# KiCad board FPGA_DevBoard.kicad_pcb
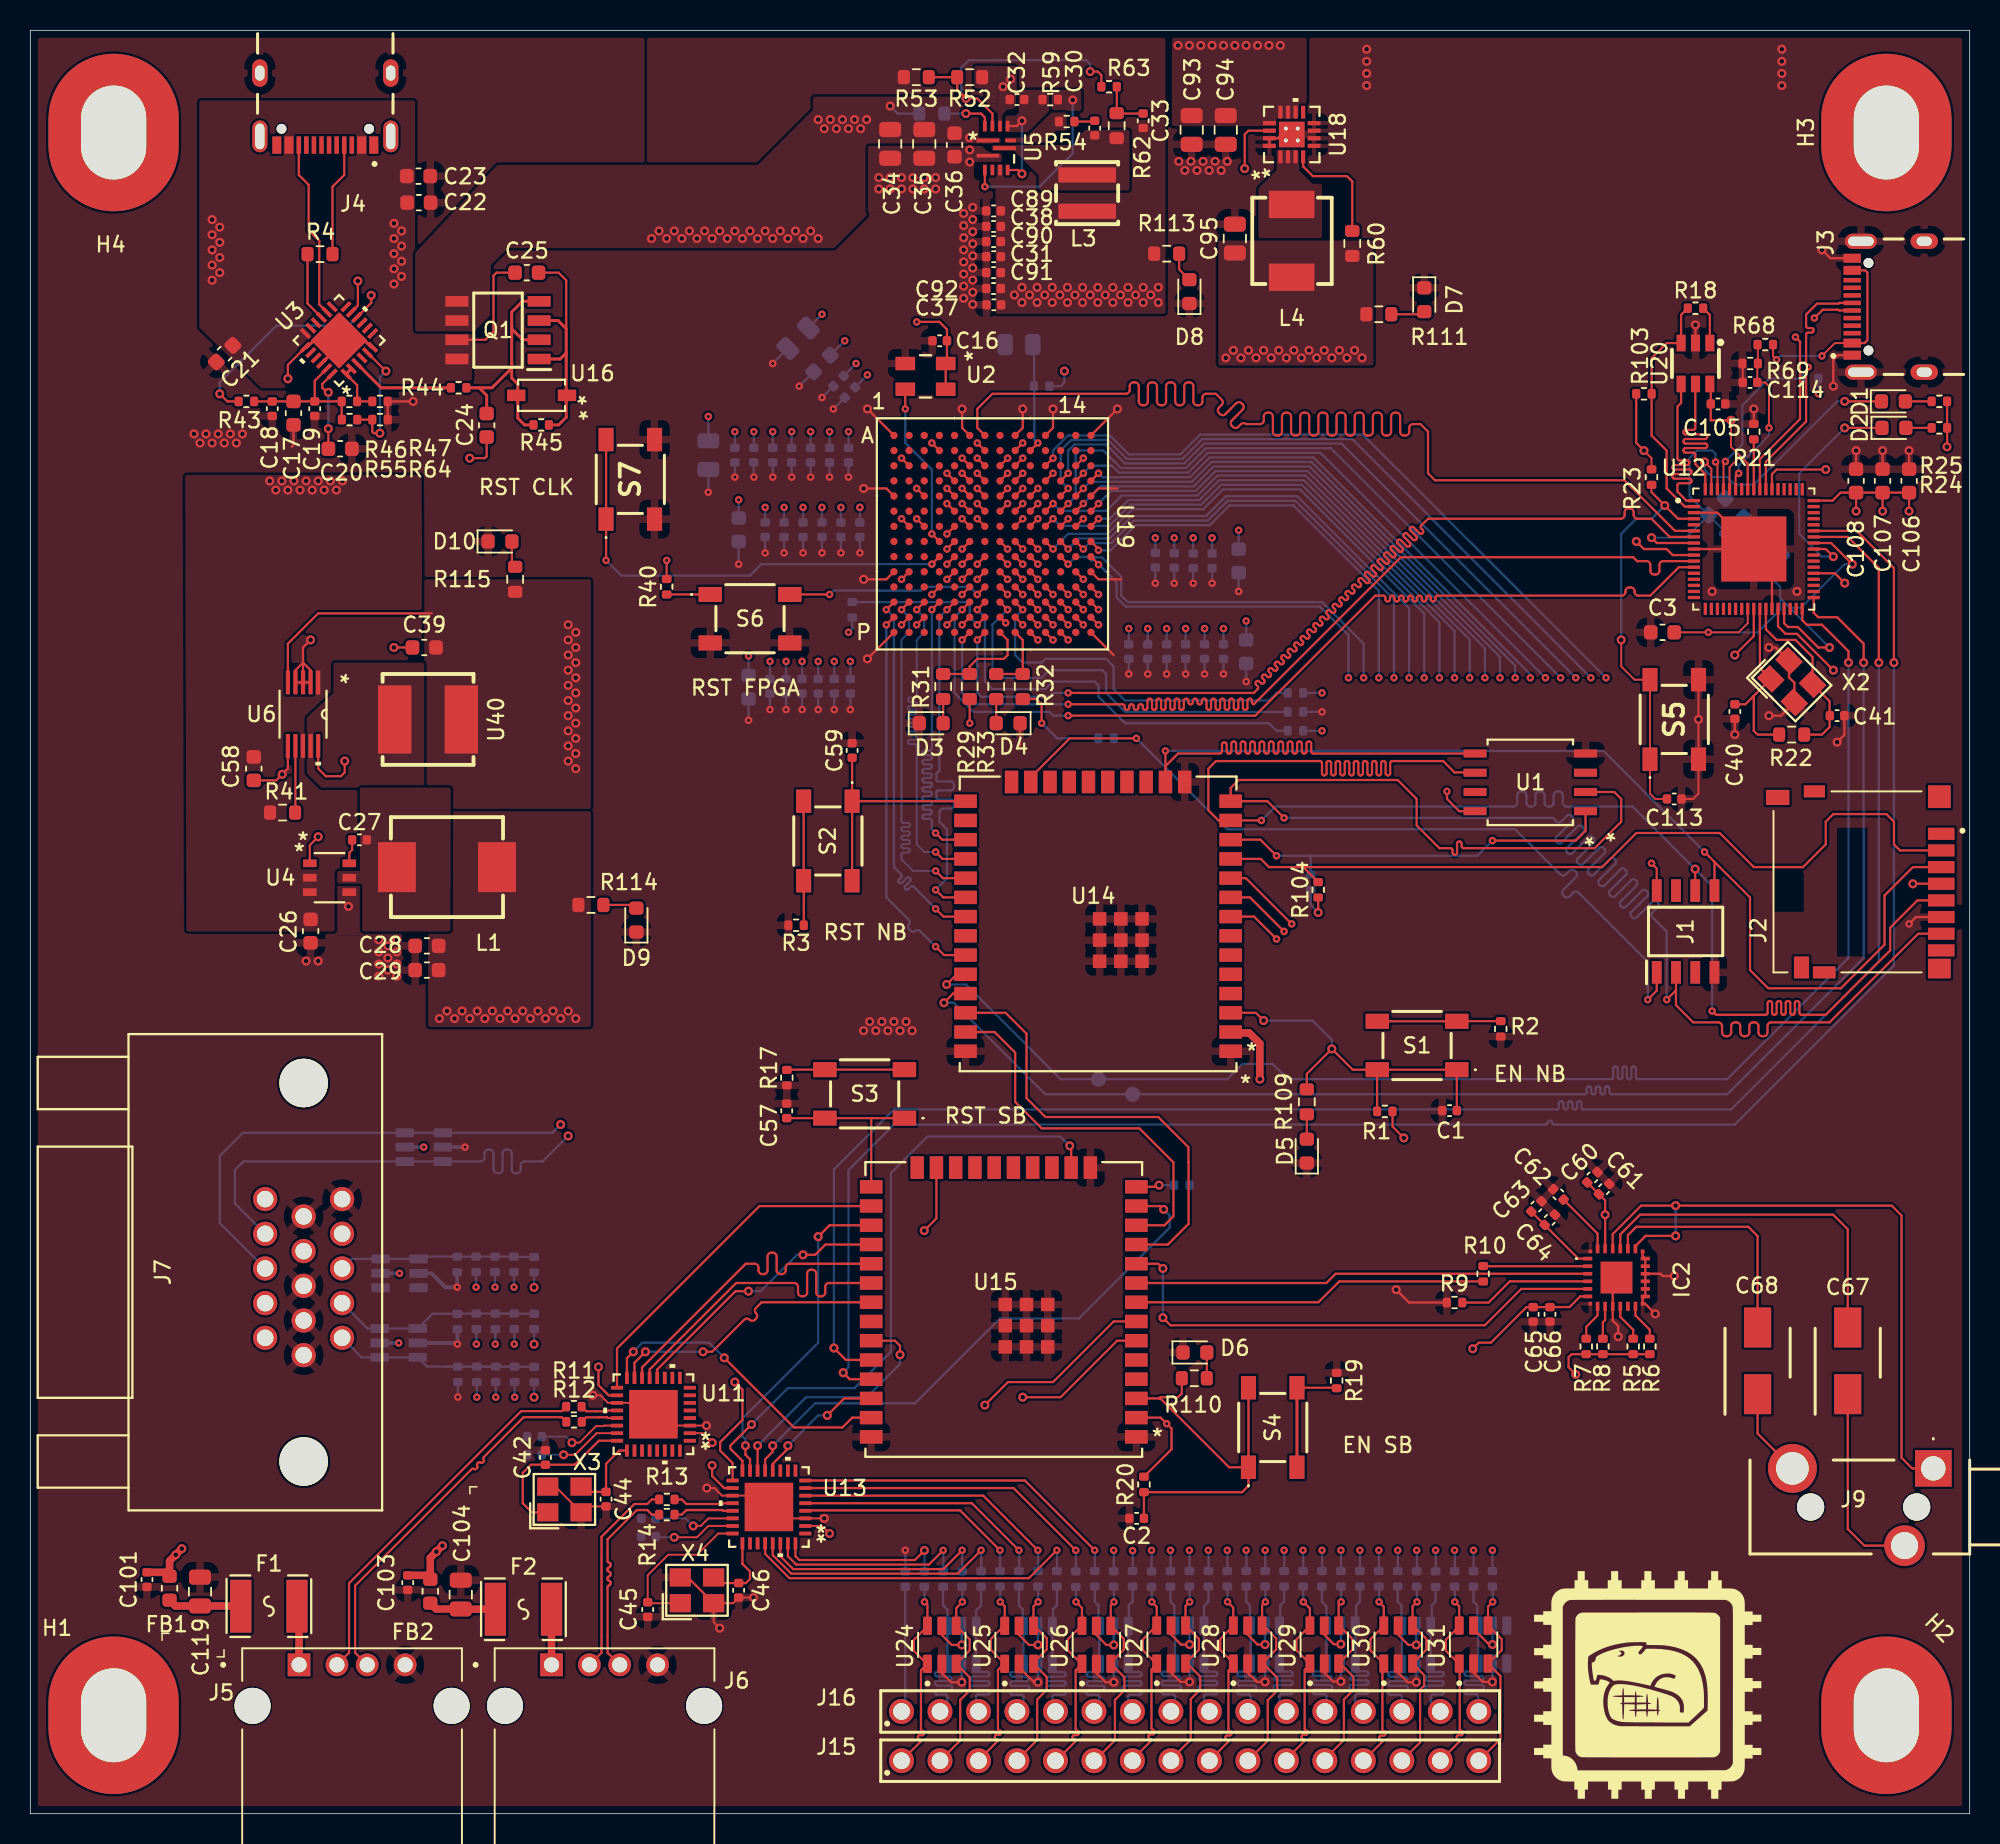
[diagram p0: board, top side]
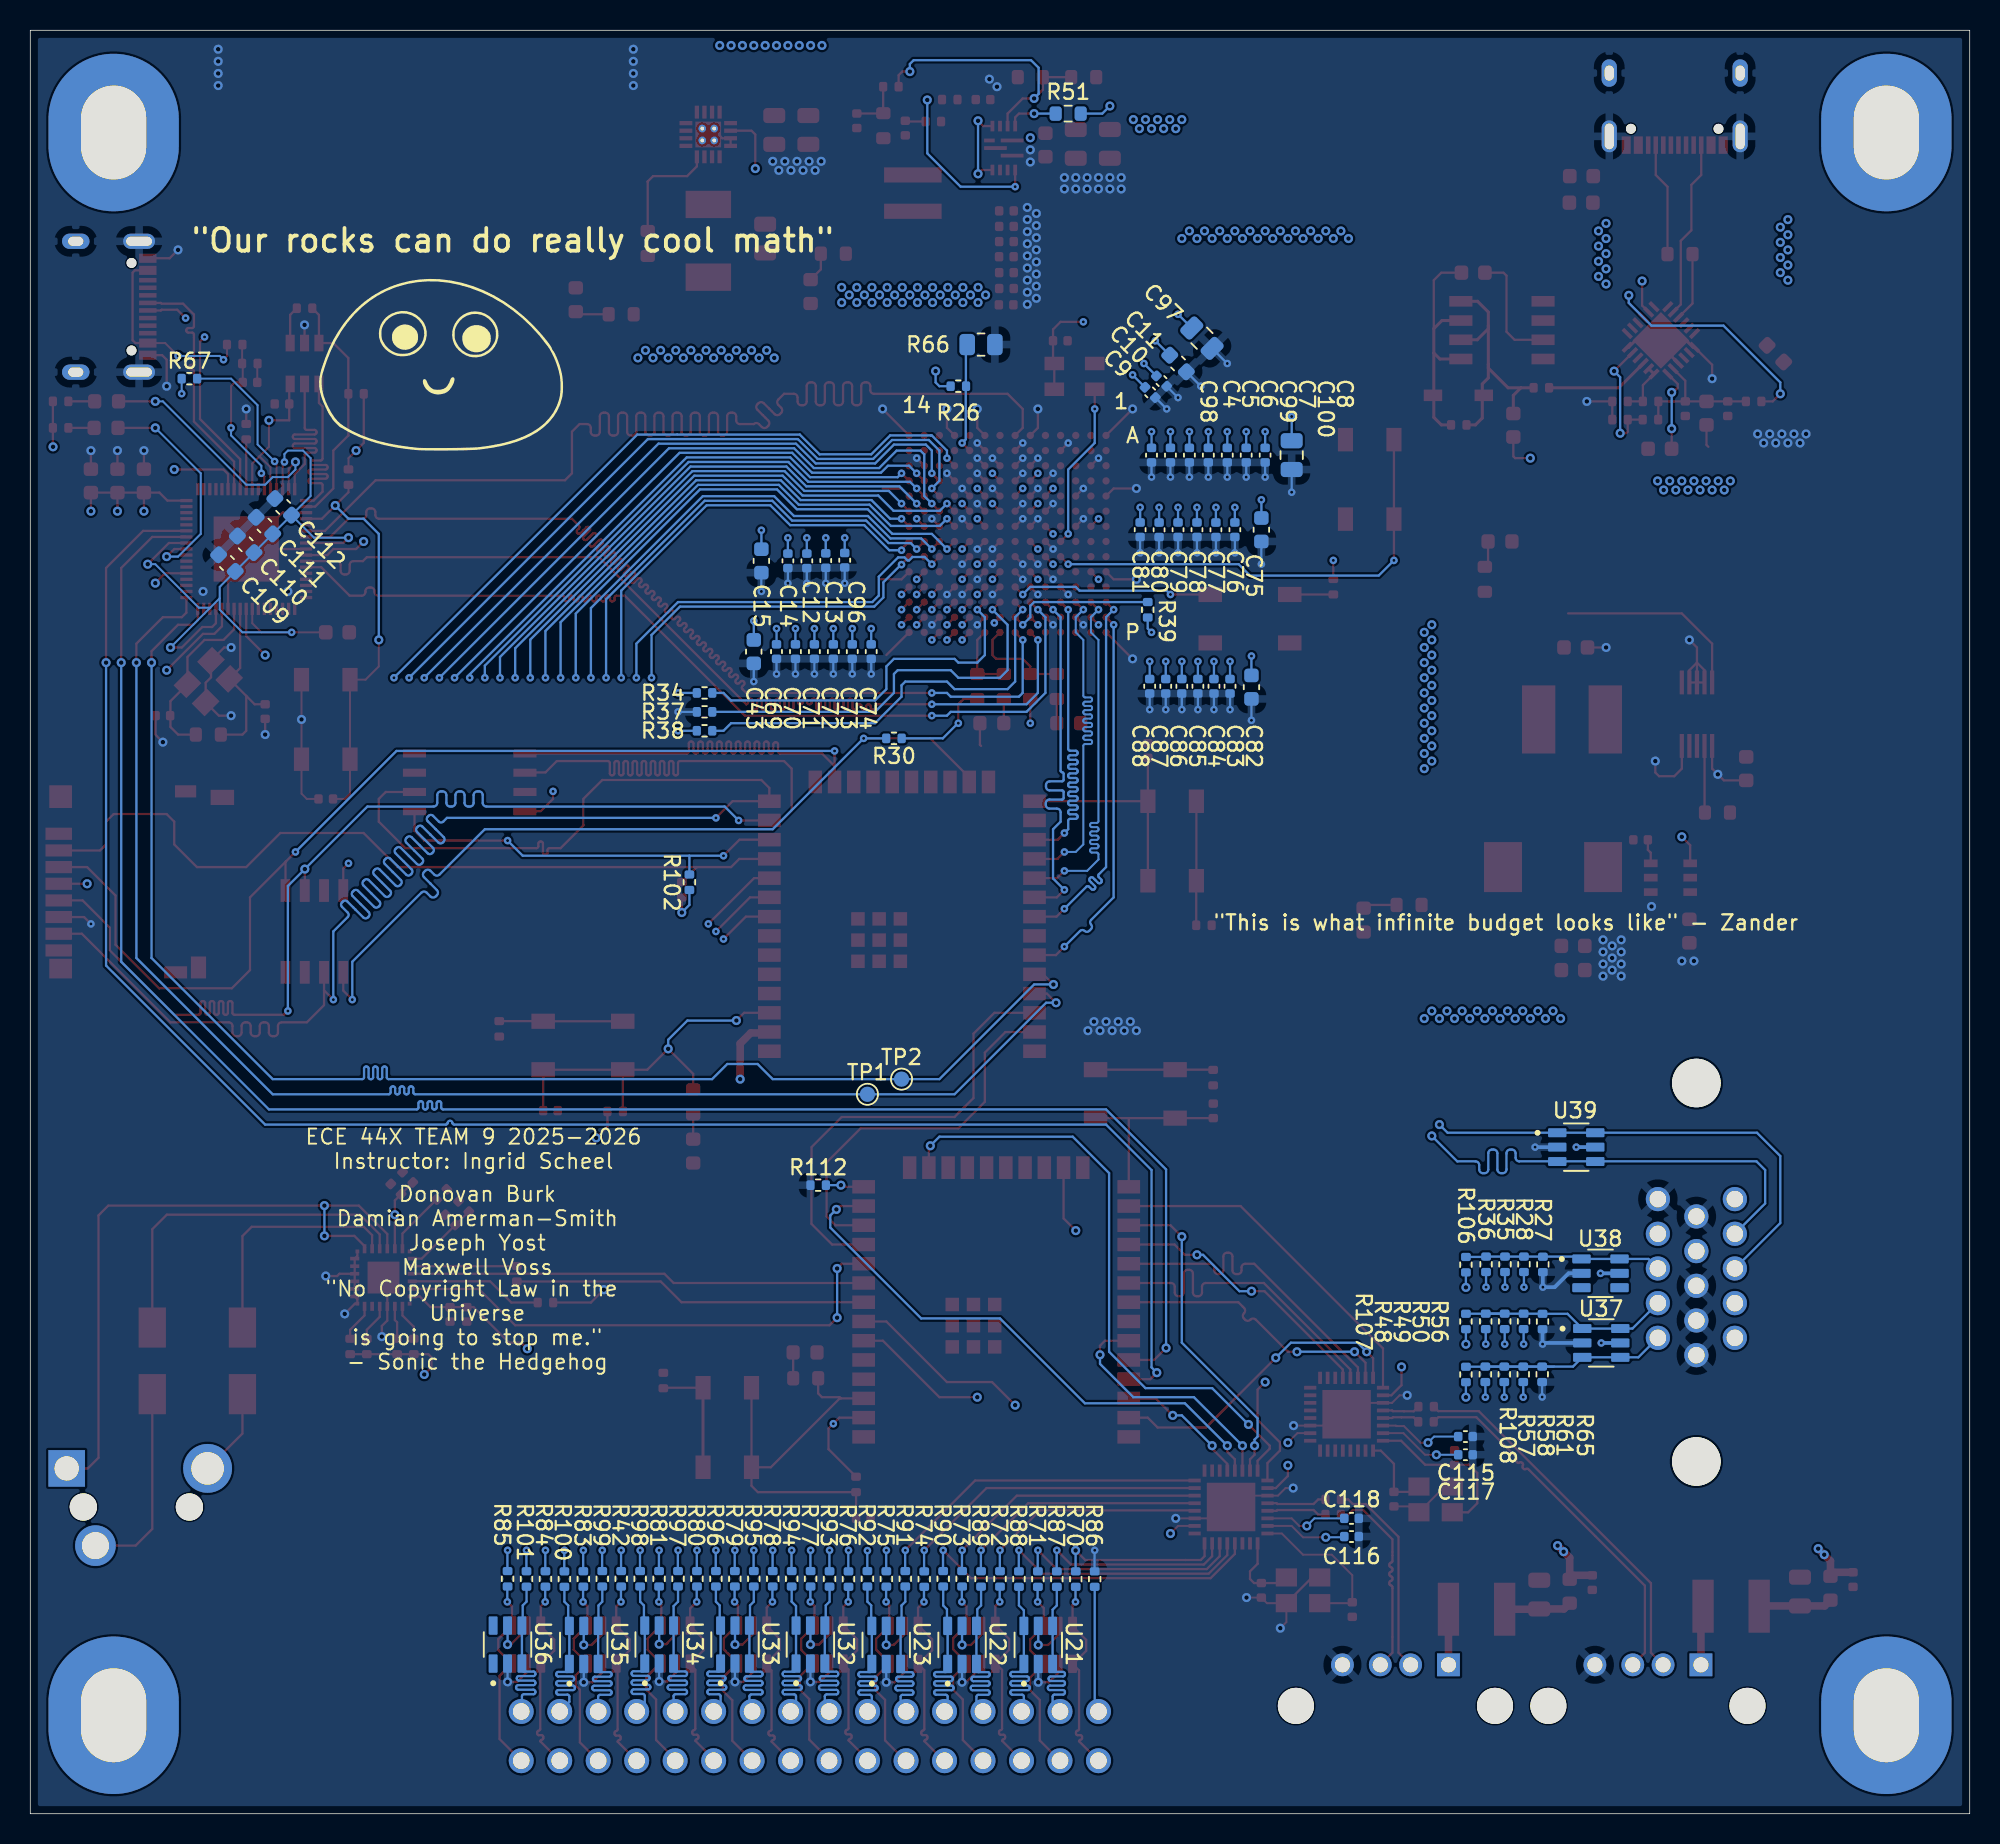
[diagram p1: board, bottom side, seen from below]

Outline 128 x 117.75 mm; copper layers: Top signal, Top GND (plane), Top PWR (plane), Bottom PWR (plane), Bottom GND (plane), Bottom signal. Coordinates in mm from the lower left corner of the outline.
Outline path: rectangle 0,117.75 128,0
Stack: Top signal 0.0351mm / dielectric 0.0993mm FR4 er 4.5 / Top GND 0.0152mm / dielectric 0.5499mm FR4 er 4.5 / Top PWR 0.0152mm / dielectric 0.1087mm FR4 er 4.5 / Bottom PWR 0.0152mm / dielectric 0.5499mm FR4 er 4.5 / Bottom GND 0.0152mm / dielectric 0.0993mm FR4 er 4.5 / Bottom signal 0.0351mm

## Placement (name value [footprint] x y rotation side)
C1  0.1u  [C_0402_1005Metric]  93.67 46.42 180 top
C2  0.1uF  [C_0402_1005Metric]  73.02 19.5 180 top
C3  3.3u  [C_0603_1608Metric]  107.72 78 180 top
C4  0.47u  [C_0402_1005Metric]  52.75 89.7 270 bottom
C5  0.47u  [C_0402_1005Metric]  51.5 89.7 270 bottom
C6  4.7u  [C_0402_1005Metric]  50.25 89.7 270 bottom
C7  4.7u  [C_0402_1005Metric]  47.75 89.7 270 bottom
C8  100uF  [C_0805_2012Metric]  44.75 89.7 270 bottom
C9  0.47u  [C_0402_1005Metric]  54.09 93.84 225 bottom
C10  4.7u  [C_0402_1005Metric]  53.34 94.59 225 bottom
C11  47u  [C_0603_1608Metric]  52.25 95.75 225 bottom
C12  0.47u  [C_0402_1005Metric]  76.75 82.72 270 bottom
C13  0.47u  [C_0402_1005Metric]  75.5 82.74 270 bottom
C14  4.7u  [C_0402_1005Metric]  78 82.72 270 bottom
C15  47u  [C_0603_1608Metric]  79.75 82.72 270 bottom
C16  100nF  [C_0402_1005Metric]  60.02 97.25 180 top
C17  1uF  [C_0603_1608Metric]  17.37 92.47 270 top
C18  0.1uF  [C_0402_1005Metric]  15.97 92.77 270 top
C19  0.1uF  [C_0402_1005Metric]  18.77 92.77 270 top
C20  1uF  [C_0603_1608Metric]  20.45 90.12 0 top
C21  1uF  [C_0603_1608Metric]  12.82 96.4 225 top
C22  1uF  [C_0603_1608Metric]  25.65 106.37 0 top
C23  1uF  [C_0603_1608Metric]  25.62 108.12 0 top
C24  1uF  [C_0603_1608Metric]  30.12 91.67 90 top
C25  1u  [C_0603_1608Metric]  32.77 101.75 0 top
C26  10uF  [C_0603_1608Metric]  18.5 58.28 270 top
C27  0.1u  [C_0402_1005Metric]  21.72 64.3 0 top
C28  22uF  [C_0603_1608Metric]  26.17 57.3 180 top
C29  22uF  [C_0603_1608Metric]  26.17 55.7 180 top
C30  220n  [C_0402_1005Metric]  70.25 111.3 270 top
C31  100n  [C_0402_1005Metric]  63.58 102.8 180 top
C32  1u  [C_0402_1005Metric]  65.12 113.17 180 top
C33  220p  [C_0402_1005Metric]  73.45 111.78 90 top
C34  22u  [C_0805_2012Metric]  56.75 110.25 270 top
C35  22u  [C_0805_2012Metric]  59 110.25 270 top
C36  100n  [C_0603_1608Metric]  61 110.18 270 top
C37  100n  [C_0402_1005Metric]  63.59 99.62 180 top
C38  22u  [C_0402_1005Metric]  63.58 104.8 180 top
C39  22u  [C_0603_1608Metric]  26 77 180 top
C40  12pF  [C_0402_1005Metric]  112.5 72.77 90 top
C41  12pF  [C_0402_1005Metric]  119.25 72.5 0 top
C42  12pF  [C_0402_1005Metric]  34 23.52 270 top
C43  47u  [C_0603_1608Metric]  80.25 76.72 270 bottom
C44  12pF  [C_0402_1005Metric]  38 20.77 270 top
C45  12pF  [C_0402_1005Metric]  40.75 13.48 90 top
C46  12pF  [C_0402_1005Metric]  46.75 14.75 270 top
C57  0.1uF  [C_0402_1005Metric]  49.92 46.41 90 top
C58  10u  [C_0603_1608Metric]  14.75 69 270 top
C59  0.1u  [C_0402_1005Metric]  54.24 70.2 90 top
C60  0.1u  [C_0402_1005Metric]  103.09 42.02 45 top
C61  0.1u  [C_0402_1005Metric]  103.87 41.24 45 top
C62  1u  [C_0402_1005Metric]  100.85 40.89 135 top
C63  1u  [C_0402_1005Metric]  99.4 40.09 45 top
C64  1u  [C_0402_1005Metric]  100.28 39.21 45 top
C65  0.1u  [C_0402_1005Metric]  99.19 32.97 270 top
C66  0.1u  [C_0402_1005Metric]  100.3 32.97 270 top
C67  EDK475M016A9BAA  [CAPAE430X565N]  119.95 29.9 90 top
C68  EDK475M016A9BAA  [CAPAE430X565N]  114 29.9 90 top
C69  4.7u  [C_0402_1005Metric]  78.75 76.73 270 bottom
C70  4.7u  [C_0402_1005Metric]  77.5 76.73 270 bottom
C71  0.47u  [C_0402_1005Metric]  76.25 76.73 270 bottom
C72  0.47u  [C_0402_1005Metric]  75 76.73 270 bottom
C73  0.47u  [C_0402_1005Metric]  73.75 76.73 270 bottom
C74  0.47u  [C_0402_1005Metric]  72.5 76.73 270 bottom
C75  47u  [C_0603_1608Metric]  46.75 84.78 270 bottom
C76  4.7u  [C_0402_1005Metric]  48.5 84.78 270 bottom
C77  4.7u  [C_0402_1005Metric]  49.75 84.77 270 bottom
C78  0.47u  [C_0402_1005Metric]  51 84.78 270 bottom
C79  0.47u  [C_0402_1005Metric]  52.25 84.78 270 bottom
C80  0.47u  [C_0402_1005Metric]  53.5 84.77 270 bottom
C81  0.47u  [C_0402_1005Metric]  54.75 84.78 270 bottom
C82  47u  [C_0603_1608Metric]  47.4 74.38 270 bottom
C83  4.7u  [C_0402_1005Metric]  48.82 74.44 270 bottom
C84  4.7u  [C_0402_1005Metric]  49.88 74.44 270 bottom
C85  0.47u  [C_0402_1005Metric]  50.94 74.44 270 bottom
C86  0.47u  [C_0402_1005Metric]  52 74.44 270 bottom
C87  0.47u  [C_0402_1005Metric]  53.06 74.44 270 bottom
C88  0.47u  [C_0402_1005Metric]  54.12 74.44 270 bottom
C89  22u  [C_0402_1005Metric]  63.58 105.83 180 top
C90  22u  [C_0402_1005Metric]  63.58 103.8 0 top
C91  22u  [C_0402_1005Metric]  63.58 101.75 0 top
C92  100n  [C_0402_1005Metric]  63.58 100.7 0 top
C93  10u  [C_0805_2012Metric]  76.65 111.17 270 top
C94  0.1u  [C_0805_2012Metric]  78.9 111.17 270 top
C95  22u  [C_0805_2012Metric]  79.5 104 90 top
C96  0.47u  [C_0402_1005Metric]  74.25 82.76 270 bottom
C97  100uF  [C_0805_2012Metric]  50.67 97.42 225 bottom
C98  0.47u  [C_0402_1005Metric]  54 89.7 270 bottom
C99  0.47u  [C_0402_1005Metric]  49 89.7 270 bottom
C100  4.7u  [C_0402_1005Metric]  46.5 89.7 270 bottom
C101  2u2  [C_0402_1005Metric]  7.7 15.46 270 top
C103  2u2  [C_0402_1005Metric]  24.91 15.26 270 top
C104  100u  [C_0805_2012Metric]  28.41 14.47 90 top
C105  0.1u  [C_0402_1005Metric]  111.39 93.08 0 top
C106  4.7u  [C_0603_1608Metric]  124 88 90 top
C107  100n  [C_0603_1608Metric]  122.25 88 90 top
C108  100n  [C_0603_1608Metric]  120.5 88 90 top
C109  100n  [C_0603_1608Metric]  115.02 82.57 45 bottom
C110  100n  [C_0603_1608Metric]  113.79 83.81 45 bottom
C111  100n  [C_0603_1608Metric]  112.55 85.05 45 bottom
C112  10u  [C_0603_1608Metric]  111.31 86.29 45 bottom
C113  0.1u  [C_0402_1005Metric]  108.5 67 0 top
C114  33n  [C_0402_1005Metric]  113.5 94.5 180 top
C115  0.1u  [C_0402_1005Metric]  33.28 24.9 180 bottom
C116  0.1u  [C_0402_1005Metric]  40.8 18.3 180 bottom
C117  0.1u  [C_0402_1005Metric]  33.28 23.7 180 bottom
C118  0.1u  [C_0402_1005Metric]  40.8 19.5 180 bottom
C119  100u  [C_0805_2012Metric]  11.2 14.67 90 top
D1  LED  [LED_0603_1608Metric]  122.96 93.25 0 top
D2  LED  [LED_0603_1608Metric]  123 91.5 0 top
D3  LED  [D_0603_1608Metric]  59.46 72 0 top
D4  LED  [D_0603_1608Metric]  64.54 72 180 top
D5  LED  [D_0603_1608Metric]  84.25 43.75 90 top
D6  LED  [D_0603_1608Metric]  76.86 30.45 0 top
D7  LED  [D_0603_1608Metric]  92 99.96 270 top
D8  LED  [D_0603_1608Metric]  76.5 100.5 90 top
D9  LED  [D_0603_1608Metric]  40 59 90 top
D10  LED  [D_0603_1608Metric]  31 84 0 top
F1  ~  [F1812]  15.75 13.7 0 top
F2  ~  [F1812]  32.55 13.5 0 top
FB1  120R  [L_0603_1608Metric]  9.19 14.89 270 top
FB2  120R  [L_0603_1608Metric]  26.4 14.69 270 top
G***  LOGO  [BeverReasonable]  106.75 8.5 0 top
G***#2  -  [LOGO]  101 96 180 bottom
H1  MountingHole  [MountingHole_4.3x6.2mm_M4_Pad]  5.5 6.5 90 top
H2  MountingHole  [MountingHole_4.3x6.2mm_M4_Pad]  122.5 6.5 90 top
H3  MountingHole  [MountingHole_4.3x6.2mm_M4_Pad]  122.5 111 90 top
H4  MountingHole  [MountingHole_4.3x6.2mm_M4_Pad]  5.5 111 90 top
IC2  -  [TAD5242IRGER]  104.69 35.4 0 top
J1  -  [4677]  109.25 58.25 90 top
J2  -  [DM3D-SF]  126.12 61.5 90 top
J3  -  [USB4105-GF-A-060]  125 99.5 90 top
J4  -  [USB4105-GF-A-060]  19.47 114.93 180 top
J5  USB-A1HSW6  [OST_USB-A1HSW6]  21.24 7.12 0 top
J6  USB-A1HSW6  [OST_USB-A1HSW6]  37.9 7.12 0 top
J7  L77HDE15SD1CH4F  [CONN_L77HDE15SD1CH4F_AMP]  6.61 35.75 90 top
J9  SJ3-35083A-TR  [SJ335083ATR]  125.6 22.8 180 top
J15  6130XX11121_61301611121  [61301611121]  76.55 3.5 0 top
J16  6130XX11121_61301611121  [61301611121]  76.55 6.75 0 top
L1  4.7uH  [IND-SMD_L7.4-W6.6]  27.5 62.5 180 top
L3  680nH  [IND-SMD_MPL-AL4020-R68]  69.75 107 270 top
L4  2.2uH  [IND-SMD_L5.7-W5.2_CYA0530]  83.25 103.85 90 top
Q1  -  [IRF9358TRPBF]  30.87 97.95 180 top
R1  10k  [R_0402_1005Metric]  89.4 46.37 180 top
R2  50  [R_0402_1005Metric]  97.05 51.82 90 top
R3  50  [R_0402_1005Metric]  50.54 58.66 180 top
R4  0  [R_0603_1608Metric]  19.12 102.97 180 top
R5  10k  [R_0402_1005Metric]  105.79 30.85 90 top
R6  10k  [R_0402_1005Metric]  106.89 30.85 90 top
R7  10k  [R_0402_1005Metric]  102.69 30.85 90 top
R8  10k  [R_0402_1005Metric]  103.79 30.85 90 top
R9  10k  [R_0402_1005Metric]  94 33.75 0 top
R10  0  [R_0402_1005Metric]  95.89 35.65 270 top
R11  33 +- 1%  [R_0402_1005Metric]  35.87 26.88 0 top
R12  33 +- 1%  [R_0402_1005Metric]  35.88 25.88 0 top
R13  33 +- 1%  [R_0402_1005Metric]  42.01 20.75 0 top
R14  33 +- 1%  [R_0402_1005Metric]  42.01 19.75 0 top
R17  50  [R_0402_1005Metric]  49.93 48.6 90 top
R18  2k  [R_0402_1005Metric]  109.9 99.4 0 top
R19  50  [R_0402_1005Metric]  86.22 28.6 270 top
R20  10k  [R_0402_1005Metric]  73.5 21.74 270 top
R21  12k  [R_0402_1005Metric]  113.75 91.25 90 top
R22  10M  [R_0603_1608Metric]  116.25 71.25 0 top
R23  10K  [R_0402_1005Metric]  107 88.25 90 top
R24  2k  [R_0402_1005Metric]  126 91.5 180 top
R25  2k  [R_0402_1005Metric]  126 93.25 180 top
R26  1k  [R_0402_1005Metric]  66.75 94.25 180 bottom
R27  150  [R_0402_1005Metric]  28.17 36.27 270 bottom
R28  2.2k  [R_0402_1005Metric]  29.42 36.28 90 bottom
R29  200  [R_0603_1608Metric]  62 74.42 90 top
R30  10k  [R_0402_1005Metric]  71 71 0 bottom
R31  200  [R_0603_1608Metric]  60.25 74.42 270 top
R32  200  [R_0603_1608Metric]  65.5 74.42 90 top
R33  200  [R_0603_1608Metric]  63.75 74.42 270 top
R34  1k  [R_0402_1005Metric]  83.5 74 0 bottom
R35  1.1k  [R_0402_1005Metric]  30.67 36.28 90 bottom
R36  560  [R_0402_1005Metric]  31.92 36.28 90 bottom
R37  1k  [R_0402_1005Metric]  83.5 72.75 0 bottom
R38  1k  [R_0402_1005Metric]  83.5 71.5 0 bottom
R39  4.7k  [R_0402_1005Metric]  54.25 79.49 270 bottom
R40  4.7k  [R_0402_1005Metric]  42 81.01 270 top
R41  5k  [R_0603_1608Metric]  16.65 66.1 0 top
R42  200  [R_0402_1005Metric]  89 15.51 270 bottom
R43  4.7k  [R_0402_1005Metric]  14.26 93.25 180 top
R44  1k  [R_0402_1005Metric]  28.27 94.15 180 top
R45  49.9k  [R_0402_1005Metric]  33.72 91.7 180 top
R46  5k  [R_0402_1005Metric]  21.06 93.25 0 top
R47  1k  [R_0402_1005Metric]  23.08 93.25 0 top
R48  560  [R_0402_1005Metric]  31.94 32.51 90 bottom
R49  1.1k  [R_0402_1005Metric]  30.69 32.51 90 bottom
R50  2.2k  [R_0402_1005Metric]  29.44 32.51 90 bottom
R51  1.5M  [R_0603_1608Metric]  59.5 112.25 180 bottom
R52  66.5k  [R_0603_1608Metric]  62 114.66 180 top
R53  48.7k  [R_0603_1608Metric]  58.47 114.66 180 top
R54  3.3  [R_0402_1005Metric]  68.4 111.72 0 top
R55  5k  [R_0402_1005Metric]  21.07 92.05 0 top
R56  150  [R_0402_1005Metric]  28.19 32.5 270 bottom
R57  560  [R_0402_1005Metric]  31.97 29.01 90 bottom
R58  1.1k  [R_0402_1005Metric]  30.72 29.01 90 bottom
R59  100k  [R_0402_1005Metric]  67.31 113.17 0 top
R60  100k  [R_0603_1608Metric]  87.25 103.67 90 top
R61  2.2k  [R_0402_1005Metric]  29.47 29.01 90 bottom
R62  499k  [R_0603_1608Metric]  71.7 111.45 90 top
R63  499  [R_0402_1005Metric]  71.2 114.03 0 top
R64  5k  [R_0402_1005Metric]  23.08 92.05 0 top
R65  150  [R_0402_1005Metric]  28.22 29.01 270 bottom
R66  1k  [R_0805_2012Metric]  65.25 97 180 bottom
R67  36k  [R_0402_1005Metric]  117.5 94.75 180 bottom
R68  100k  [R_0402_1005Metric]  114.51 97 0 top
R69  15k  [R_0402_1005Metric]  113.51 95.75 0 top
R70  200  [R_0402_1005Metric]  59 15.49 270 bottom
R71  200  [R_0402_1005Metric]  61.5 15.49 270 bottom
R72  200  [R_0402_1005Metric]  64 15.5 270 bottom
R73  200  [R_0402_1005Metric]  66.5 15.51 270 bottom
R74  200  [R_0402_1005Metric]  69 15.49 270 bottom
R75  200  [R_0402_1005Metric]  71.5 15.5 270 bottom
R76  200  [R_0402_1005Metric]  74 15.49 270 bottom
R77  200  [R_0402_1005Metric]  76.5 15.51 270 bottom
R78  200  [R_0402_1005Metric]  79 15.51 270 bottom
R79  200  [R_0402_1005Metric]  81.5 15.51 270 bottom
R80  200  [R_0402_1005Metric]  84 15.51 270 bottom
R81  200  [R_0402_1005Metric]  86.5 15.51 270 bottom
R83  200  [R_0402_1005Metric]  91.5 15.5 270 bottom
R84  200  [R_0402_1005Metric]  94 15.5 270 bottom
R85  200  [R_0402_1005Metric]  96.5 15.51 270 bottom
R86  200  [R_0402_1005Metric]  57.75 15.49 270 bottom
R87  200  [R_0402_1005Metric]  60.25 15.49 270 bottom
R88  200  [R_0402_1005Metric]  62.75 15.49 270 bottom
R89  200  [R_0402_1005Metric]  65.25 15.5 270 bottom
R90  200  [R_0402_1005Metric]  67.75 15.51 270 bottom
R91  200  [R_0402_1005Metric]  70.25 15.51 270 bottom
R92  200  [R_0402_1005Metric]  72.75 15.51 270 bottom
R93  200  [R_0402_1005Metric]  75.25 15.5 270 bottom
R94  200  [R_0402_1005Metric]  77.75 15.51 270 bottom
R95  200  [R_0402_1005Metric]  80.25 15.51 270 bottom
R96  200  [R_0402_1005Metric]  82.75 15.51 270 bottom
R97  200  [R_0402_1005Metric]  85.25 15.51 270 bottom
R98  200  [R_0402_1005Metric]  87.75 15.51 270 bottom
R99  200  [R_0402_1005Metric]  90.25 15.51 270 bottom
R100  200  [R_0402_1005Metric]  92.75 15.49 270 bottom
R101  200  [R_0402_1005Metric]  95.25 15.5 270 bottom
R102  10k  [R_0402_1005Metric]  84.5 61.5 90 bottom
R103  10K  [R_0402_1005Metric]  106.5 93.75 0 top
R104  10k  [R_0402_1005Metric]  85 61 90 top
R106  270  [R_0402_1005Metric]  33.25 36.25 90 bottom
R107  270  [R_0402_1005Metric]  33.25 32.5 90 bottom
R108  270  [R_0402_1005Metric]  33.25 29 90 bottom
R109  1k  [R_0603_1608Metric]  84.25 47 270 top
R110  1k  [R_0603_1608Metric]  76.83 28.75 0 top
R111  10k  [R_0603_1608Metric]  89 99 0 top
R112  10k  [R_0402_1005Metric]  76 41.5 180 bottom
R113  5k  [R_0603_1608Metric]  75 103 0 top
R114  10k  [R_0603_1608Metric]  37 60 0 top
R115  5k  [R_0603_1608Metric]  32 81.5 90 top
S1  PTS647SM38SMTR2_LFS  [PTS647SM38SMTR2LFS]  91.53 50.72 180 top
S2  PTS647SM38SMTR2_LFS  [PTS647SM38SMTR2LFS]  52.64 64.22 270 top
S3  PTS647SM38SMTR2_LFS  [PTS647SM38SMTR2LFS]  55.07 47.53 180 top
S4  PTS647SM38SMTR2_LFS  [PTS647SM38SMTR2LFS]  82 25.5 90 top
S5  PTS647SM38SMTR2_LFS  [PTS647SM38SMTR2LFS]  108.5 72.25 90 top
S6  PTS647SM38SMTR2_LFS  [PTS647SM38SMTR2LFS]  47.5 78.9 0 top
S7  PTS647SM38SMTR2_LFS  [PTS647SM38SMTR2LFS]  39.6 88.1 90 top
TP1  TestPoint_Probe  [TestPoint_Pad_D1.0mm]  72.75 47.5 180 bottom
TP2  TestPoint_Probe  [TestPoint_Pad_D1.0mm]  70.5 48.5 180 bottom
U1  W25Q128JVSIQ TR  [256_W25Q128JV]  99 68.09 180 top
U2  ASEM1-100.000MHZ-LC-T  [CHIP_100.000MHZ-LC-T_ABR]  59.08 94.9 180 top
U3  CYPD3177-24LQXQT  [CYPD3177-24LQXQT_INF]  20.38 97.28 135 top
U4  AP63205WU-7  [TPS62054DGS]  19.75 61.8 0 top
U5  MP8756GD-P  [MP8756]  63.75 109.97 0 top
U6  TPS62054DGS  [AP63205WU-7]  18 72.6 270 top
U11  MAX3421EETJ+T  [MAX3421EETJ_T]  41.12 26.38 180 top
U12  FT4232HPQ-REEL  [FT4232HPQ]  113.75 83.5 0 top
U13  MAX3421EETJ+T  [MAX3421EETJ_T]  48.75 20.25 180 top
U14  ESP32-WROOM-32UE-N8  [ESP32-WROOM-32UE_EXP]  70.47 58.75 180 top
U15  ESP32-WROOM-32UE-N8  [ESP32-WROOM-32UE_EXP]  64.25 33.29 180 top
U16  -  [MMSZ10T1G]  33.75 93.65 180 top
U18  -  [TPS62132RGTR]  83.26 110.87 90 top
U19  XC7S50-1FTGB196C  [FTGB196_XIL]  63.5 84.5 0 top
U20  ~  [SOT-23-6_L2.9-W1.6-P0.95-LS2.8-BR]  109.9 95.75 90 top
U21  USBLC6-2SC6  [SOT95P280X145-6N]  61.48 11.14 90 bottom
U22  USBLC6-2SC6  [SOT95P280X145-6N]  66.5 11.14 90 bottom
U23  USBLC6-2SC6  [SOT95P280X145-6N]  71.51 11.14 90 bottom
U24  USBLC6-2SC6  [SOT95P280X145-6N]  60.16 11.15 90 top
U25  USBLC6-2SC6  [SOT95P280X145-6N]  65.26 11.15 90 top
U26  USBLC6-2SC6  [SOT95P280X145-6N]  70.36 11.15 90 top
U27  USBLC6-2SC6  [SOT95P280X145-6N]  75.29 11.17 90 top
U28  USBLC6-2SC6  [SOT95P280X145-6N]  80.35 11.17 90 top
U29  USBLC6-2SC6  [SOT95P280X145-6N]  85.4 11.17 90 top
U30  USBLC6-2SC6  [SOT95P280X145-6N]  90.28 11.17 90 top
U31  USBLC6-2SC6  [SOT95P280X145-6N]  95.26 11.17 90 top
U32  USBLC6-2SC6  [SOT95P280X145-6N]  76.51 11.17 90 bottom
U33  USBLC6-2SC6  [SOT95P280X145-6N]  81.49 11.17 90 bottom
U34  USBLC6-2SC6  [SOT95P280X145-6N]  86.49 11.17 90 bottom
U35  USBLC6-2SC6  [SOT95P280X145-6N]  91.47 11.14 90 bottom
U36  USBLC6-2SC6  [SOT95P280X145-6N]  96.5 11.17 90 bottom
U37  USBLC6-2SC6  [SOT95P280X145-6N]  24.32 31.08 180 bottom
U38  USBLC6-2SC6  [SOT95P280X145-6N]  24.37 35.68 180 bottom
U39  USBLC6-2SC6  [SOT95P280X145-6N]  25.97 44.01 180 bottom
U40  10uH  [IND-SMD_L6.0-W6.0_MPL-SE6040]  26.25 72.25 0 top
X2  12MHz  [CRYSTAL-SMD_4P-L3.2-W2.5-BL]  116.25 74.75 315 top
X3  12MHz  [CRYSTAL-SMD_4P-L3.2-W2.5-BL]  35.25 20.75 0 top
X4  12MHz  [CRYSTAL-SMD_4P-L3.2-W2.5-BL]  44 14.75 0 top
